# KiCad board dynamis.kicad_pcb
title: dynamis; rev: v2.0.0
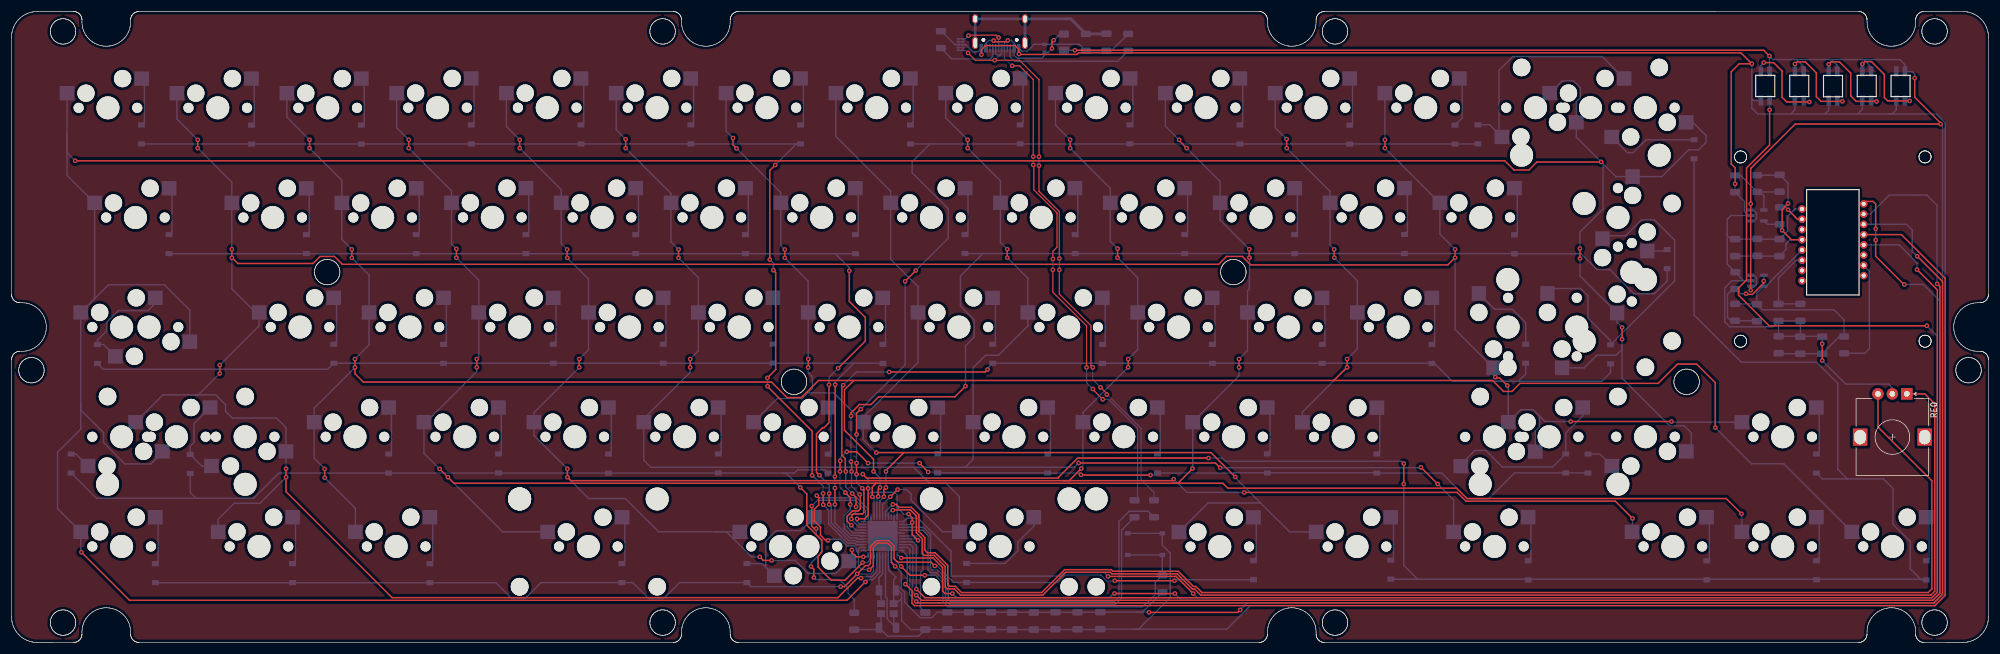
[diagram p0: board, top side]
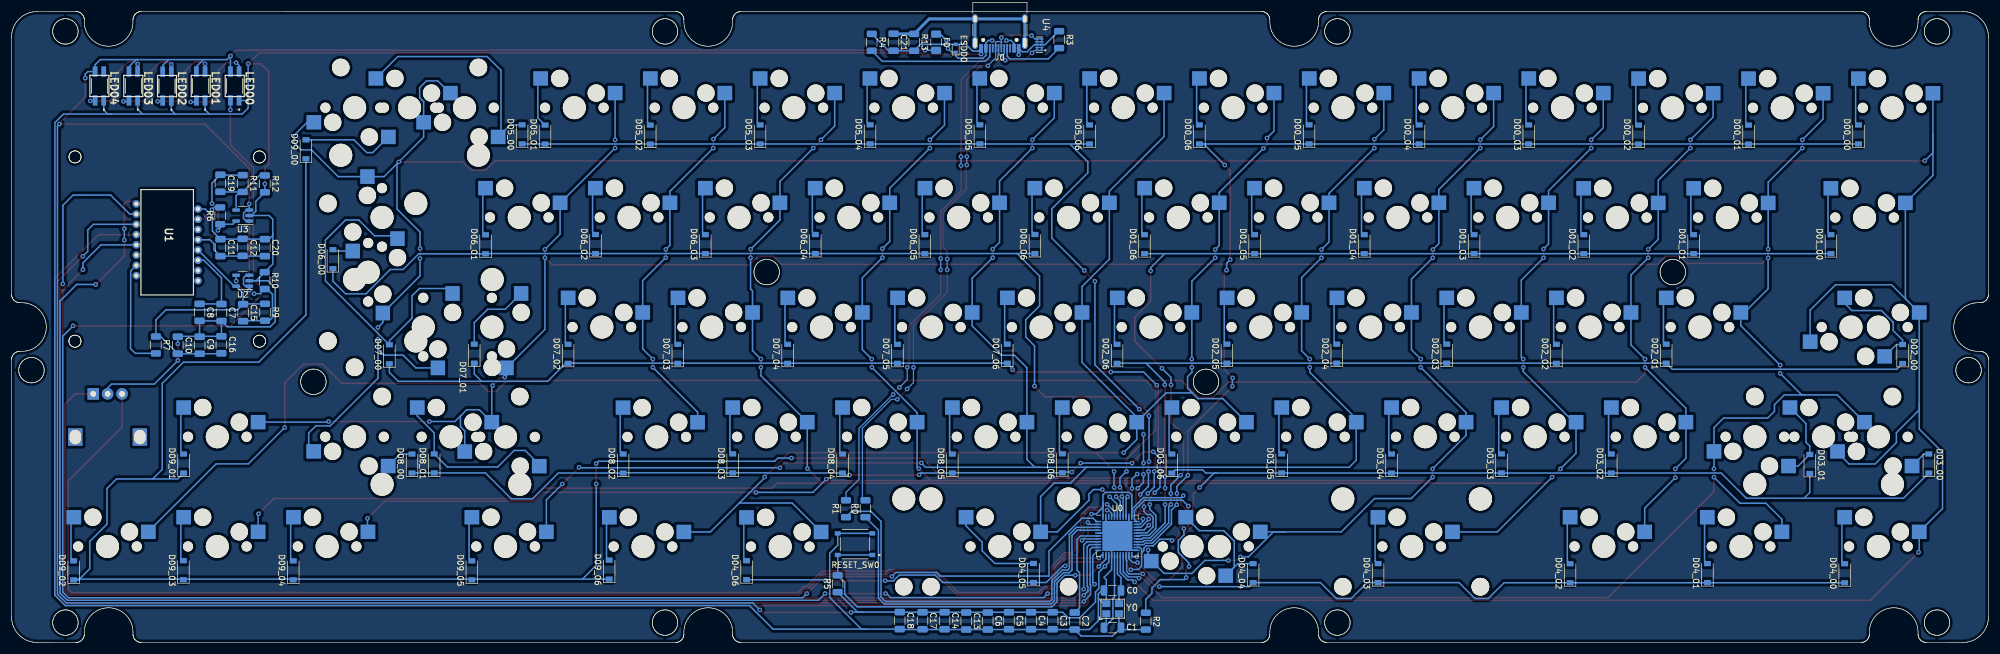
[diagram p1: board, bottom side, seen from below]

Outline 342.91 x 109.58 mm; copper layers: Top, Bottom. Coordinates in mm from the lower left corner of the outline.
Stack: Top 0.035mm / dielectric 1.51mm FR4 er 4.5 / Bottom 0.035mm

## Placement (name value [footprint] x y rotation side)
C0  22pF  [C_1206_3216Metric]  151.95 9.03 180 bottom
C1  22pF  [C_1206_3216Metric]  151.95 2.58 180 bottom
C2  1μF  [C_1206_3216Metric]  158.5 3.73 270 bottom
C3  0.1μF  [C_1206_3216Metric]  162.32 3.78 270 bottom
C4  0.1μF  [C_1206_3216Metric]  166.07 3.78 270 bottom
C5  0.1μF  [C_1206_3216Metric]  169.9 3.78 270 bottom
C6  10μF  [C_1206_3216Metric]  173.57 3.73 270 bottom
C7  4.7μF  [C_1206_3216Metric]  306.5 57.3 270 bottom
C8  0.1μF  [C_1206_3216Metric]  310.3 57.33 270 bottom
C9  0.1μF  [C_1206_3216Metric]  310.27 51.63 90 bottom
C10  10μF  [C_1206_3216Metric]  314.07 51.63 90 bottom
C11  0.1μF  [C_1206_3216Metric]  306.67 68.58 90 bottom
C12  10μF  [C_1206_3216Metric]  302.82 68.63 90 bottom
C13  0.1μF  [C_1206_3216Metric]  177.32 3.73 270 bottom
C14  1μF  [C_1206_3216Metric]  181.07 3.78 270 bottom
C15  0.1μF  [C_1206_3216Metric]  302.75 57.28 270 bottom
C16  10μF  [C_1206_3216Metric]  306.52 51.7 90 bottom
C17  0.1μF  [C_1206_3216Metric]  184.9 3.78 270 bottom
C18  1μF  [C_1206_3216Metric]  188.85 3.8 270 bottom
C19  0.1μF  [C_1206_3216Metric]  306.7 79.75 270 bottom
C20  10μF  [C_1206_3216Metric]  298.97 68.58 90 bottom
C21  4.7μF  [C_1206_3216Metric]  189.92 104.25 90 bottom
D00_00  D  [D_SOD-123-Pretty]  22.55 88.23 90 bottom
D00_01  D  [D_SOD-123-Pretty]  41.62 88.2 90 bottom
D00_02  D  [D_SOD-123-Pretty]  60.7 88.2 90 bottom
D00_03  D  [D_SOD-123-Pretty]  79.75 88.23 90 bottom
D00_04  D  [D_SOD-123-Pretty]  98.77 88.23 90 bottom
D00_05  D  [D_SOD-123-Pretty]  117.85 88.25 90 bottom
D00_06  D  [D_SOD-123-Pretty]  136.87 88.23 90 bottom
D01_00  D  [D_SOD-123-Pretty]  27.32 69.18 90 bottom
D01_01  D  [D_SOD-123-Pretty]  51.15 69.18 90 bottom
D01_02  D  [D_SOD-123-Pretty]  70.2 69.18 90 bottom
D01_03  D  [D_SOD-123-Pretty]  89.22 69.18 90 bottom
D01_04  D  [D_SOD-123-Pretty]  108.27 69.18 90 bottom
D01_05  D  [D_SOD-123-Pretty]  127.3 69.18 90 bottom
D01_06  D  [D_SOD-123-Pretty]  146.4 69.18 90 bottom
D02_00  D  [D_SOD-123-Pretty]  14.9 50.1 90 bottom
D02_01  D  [D_SOD-123-Pretty]  55.9 50.15 90 bottom
D02_02  D  [D_SOD-123-Pretty]  74.95 50.13 90 bottom
D02_03  D  [D_SOD-123-Pretty]  93.97 50.15 90 bottom
D02_04  D  [D_SOD-123-Pretty]  113.05 50.15 90 bottom
D02_05  D  [D_SOD-123-Pretty]  132.1 50.15 90 bottom
D02_06  D  [D_SOD-123-Pretty]  151.15 50.13 90 bottom
D03_00  D  [D_SOD-123-Pretty]  10.35 31.08 90 bottom
D03_01  D  [D_SOD-123-Pretty]  31 31 90 bottom
D03_02  D  [D_SOD-123-Pretty]  65.42 31.08 90 bottom
D03_03  D  [D_SOD-123-Pretty]  84.47 31.1 90 bottom
D03_04  D  [D_SOD-123-Pretty]  103.55 31.08 90 bottom
D03_05  D  [D_SOD-123-Pretty]  122.6 31.1 90 bottom
D03_06  D  [D_SOD-123-Pretty]  141.65 31.08 90 bottom
D04_00  D  [D_SOD-123-Pretty]  24.95 12.03 90 bottom
D04_01  D  [D_SOD-123-Pretty]  48.75 12.05 90 bottom
D04_02  D  [D_SOD-123-Pretty]  72.57 12.03 90 bottom
D04_03  D  [D_SOD-123-Pretty]  105.87 12.05 90 bottom
D04_04  D  [D_SOD-123-Pretty]  127.55 12.05 90 bottom
D04_05  D  [D_SOD-123-Pretty]  165.65 12.08 90 bottom
D04_06  D  [D_SOD-123-Pretty]  215.42 12.55 90 bottom
D05_00  D  [D_SOD-123-Pretty]  254.35 88.25 90 bottom
D05_01  D  [D_SOD-123-Pretty]  250.37 88.2 90 bottom
D05_02  D  [D_SOD-123-Pretty]  232.12 88.2 90 bottom
D05_03  D  [D_SOD-123-Pretty]  213.07 88.23 90 bottom
D05_04  D  [D_SOD-123-Pretty]  194 88.25 90 bottom
D05_05  D  [D_SOD-123-Pretty]  174.95 88.25 90 bottom
D05_06  D  [D_SOD-123-Pretty]  155.92 88.23 90 bottom
D06_00  D  [D_SOD-123-Pretty]  287.17 66.58 90 bottom
D06_01  D  [D_SOD-123-Pretty]  260.7 69.15 90 bottom
D06_02  D  [D_SOD-123-Pretty]  241.62 69.2 90 bottom
D06_03  D  [D_SOD-123-Pretty]  222.57 69.18 90 bottom
D06_04  D  [D_SOD-123-Pretty]  203.5 69.2 90 bottom
D06_05  D  [D_SOD-123-Pretty]  184.5 69.18 90 bottom
D06_06  D  [D_SOD-123-Pretty]  165.4 69.2 90 bottom
D07_00  D  [D_SOD-123-Pretty]  277.37 50.05 90 bottom
D07_01  D  [D_SOD-123-Pretty]  262.65 50.15 90 bottom
D07_02  D  [D_SOD-123-Pretty]  246.37 50.13 90 bottom
D07_03  D  [D_SOD-123-Pretty]  227.35 50.13 90 bottom
D07_04  D  [D_SOD-123-Pretty]  208.3 50.13 90 bottom
D07_05  D  [D_SOD-123-Pretty]  189.25 50.13 90 bottom
D07_06  D  [D_SOD-123-Pretty]  170.2 50.15 90 bottom
D08_00  D  [D_SOD-123-Pretty]  273.45 31.08 90 bottom
D08_01  D  [D_SOD-123-Pretty]  269.6 31.1 90 bottom
D08_02  D  [D_SOD-123-Pretty]  236.82 31.08 90 bottom
D08_03  D  [D_SOD-123-Pretty]  217.82 31.1 90 bottom
D08_04  D  [D_SOD-123-Pretty]  198.77 31.08 90 bottom
D08_05  D  [D_SOD-123-Pretty]  179.72 31.08 90 bottom
D08_06  D  [D_SOD-123-Pretty]  160.65 31.13 90 bottom
D09_00  D  [D_SOD-123-Pretty]  291.85 85.65 90 bottom
D09_01  D  [D_SOD-123-Pretty]  313.07 31.08 90 bottom
D09_02  D  [D_SOD-123-Pretty]  332.15 12.53 90 bottom
D09_03  D  [D_SOD-123-Pretty]  313.1 12.55 90 bottom
D09_04  D  [D_SOD-123-Pretty]  294.05 12.53 90 bottom
D09_05  D  [D_SOD-123-Pretty]  263.07 12.53 90 bottom
D09_06  D  [D_SOD-123-Pretty]  239.25 12.65 90 bottom
ESDD0  ESD5Z5V0  [D_SOD-523]  179.15 103.18 90 bottom
F0  SMD0805-050-16V  [Fuse_1206_3216Metric]  182.55 104.25 270 bottom
J0  USB_C_Receptacle_USB2.0  [USB_C_Receptacle_HRO_TYPE-C-31-M-12]  171.47 107.25 0 bottom
LED00  SK6812MINI-E  [SK6812MINIE]  304.2 96.65 270 top
LED01  SK6812MINI-E  [SK6812MINIE]  310.1 96.65 270 top
LED02  SK6812MINI-E  [SK6812MINIE]  315.95 96.63 270 top
LED03  SK6812MINI-E  [SK6812MINIE]  321.8 96.65 270 top
LED04  SK6812MINI-E  [SK6812MINIE]  327.67 96.65 270 top
LOGO00  LOGO  [logo]  121.27 16.85 0 top
R0  22  [R_1206_3216Metric]  194.8 23.23 90 bottom
R1  22  [R_1206_3216Metric]  198.17 23.23 90 bottom
R2  10k  [R_1206_3216Metric]  146.17 3.7 90 bottom
R3  5.1k  [R_1206_3216Metric]  161.2 104.7 270 bottom
R4  5.1k  [R_1206_3216Metric]  193.7 104.23 270 bottom
R5  10k  [R_1206_3216Metric]  199.62 10.2 90 bottom
R6  10k  [R_1206_3216Metric]  306.72 74.1 270 bottom
R7  39  [R_1206_3216Metric]  317.87 51.68 270 bottom
R9  37.4k  [R_1206_3216Metric]  298.95 57.35 270 bottom
R10  63.4K  [R_1206_3216Metric]  299 62.85 90 bottom
R11  52.3k  [R_1206_3216Metric]  302.8 79.7 270 bottom
R12  30.1k  [R_1206_3216Metric]  298.97 79.65 270 bottom
R13  1M  [R_1206_3216Metric]  186.35 104.23 90 bottom
RE0  RotaryEncoder  [RotaryEncoder_Alps_EC12E_Vertical_H20mm]  328.75 43.18 270 top
RESET_SW0  TS-1187A-B-A-B  [SW_TS-1187A-B-A-B]  196.61 17.08 0 bottom
STAB00  2.25U  [MXOnly-2.25U-ReversedStabilizers-NoSwitch]  271.47 54.78 0 top
SW00_00  SW_Push  [MXOnly-1U-Hotswap]  16.72 92.85 0 top
SW00_01  SW_Push  [MXOnly-1U-Hotswap]  35.77 92.85 0 top
SW00_02  SW_Push  [MXOnly-1U-Hotswap]  54.85 92.85 0 top
SW00_03  SW_Push  [MXOnly-1U-Hotswap]  73.9 92.88 0 top
SW00_04  SW_Push  [MXOnly-1U-Hotswap]  92.92 92.88 0 top
SW00_05  SW_Push  [MXOnly-1U-Hotswap]  111.97 92.88 0 top
SW00_06  SW_Push  [MXOnly-1U-Hotswap]  131.02 92.88 0 top
SW01_00  SW_Push  [MXOnly-1.5U-Hotswap]  21.5 73.8 0 top
SW01_01  SW_Push  [MXOnly-1U-Hotswap]  45.3 73.8 0 top
SW01_02  SW_Push  [MXOnly-1U-Hotswap]  64.37 73.8 0 top
SW01_03  SW_Push  [MXOnly-1U-Hotswap]  83.4 73.83 0 top
SW01_04  SW_Push  [MXOnly-1U-Hotswap]  102.42 73.83 0 top
SW01_05  SW_Push  [MXOnly-1U-Hotswap]  121.47 73.83 0 top
SW01_06  SW_Push  [MXOnly-1U-Hotswap]  140.52 73.83 0 top
SW02_01  SW_Push  [MXOnly-1U-Hotswap]  50.05 54.78 0 top
SW02_02  SW_Push  [MXOnly-1U-Hotswap]  69.1 54.78 0 top
SW02_03  SW_Push  [MXOnly-1U-Hotswap]  88.12 54.78 0 top
SW02_04  SW_Push  [MXOnly-1U-Hotswap]  107.17 54.78 0 top
SW02_05  SW_Push  [MXOnly-1U-Hotswap]  126.22 54.78 0 top
SW02_06  SW_Push  [MXOnly-1U-Hotswap]  145.27 54.78 0 top
SW03_00  SW_Push  [MXOnly-1.25U-Hotswap]  19.1 35.73 180 top
SW03_02  SW_Push  [MXOnly-1U-Hotswap]  59.57 35.73 0 top
SW03_03  SW_Push  [MXOnly-1U-Hotswap]  78.62 35.73 0 top
SW03_04  SW_Push  [MXOnly-1U-Hotswap]  97.7 35.73 0 top
SW03_05  SW_Push  [MXOnly-1U-Hotswap]  116.75 35.73 0 top
SW03_06  SW_Push  [MXOnly-1U-Hotswap]  135.8 35.73 0 top
SW04_00  SW_Push  [MXOnly-1.25U-Hotswap]  19.1 16.68 0 top
SW04_01  SW_Push  [MXOnly-1.25U-Hotswap]  42.92 16.68 0 top
SW04_02  SW_Push  [MXOnly-1.25U-Hotswap]  66.72 16.68 0 top
SW04_03  SW_Push  [MXOnly-2.25U-Hotswap-ReversedStabilizers]  100.06 16.67 0 top
SW04_05  SW_Push  [MXOnly-2.75U-Hotswap-ReversedStabilizers]  171.5 16.68 0 top
SW04_06  SW_Push  [MXOnly-1.25U-Hotswap]  209.58 16.65 0 top
SW05_01  SW_Push  [MXOnly-1U-Hotswap]  245.3 92.88 0 top
SW05_02  SW_Push  [MXOnly-1U-Hotswap]  226.27 92.88 0 top
SW05_03  SW_Push  [MXOnly-1U-Hotswap]  207.22 92.88 0 top
SW05_04  SW_Push  [MXOnly-1U-Hotswap]  188.17 92.88 0 top
SW05_05  SW_Push  [MXOnly-1U-Hotswap]  169.12 92.88 0 top
SW05_06  SW_Push  [MXOnly-1U-Hotswap]  150.07 92.88 0 top
SW06_00  SW_Push  [MXOnly-1U-Hotswap]  278.65 73.83 270 top
SW06_01  SW_Push  [MXOnly-1U-Hotswap]  254.85 73.83 0 top
SW06_02  SW_Push  [MXOnly-1U-Hotswap]  235.8 73.83 0 top
SW06_03  SW_Push  [MXOnly-1U-Hotswap]  216.72 73.83 0 top
SW06_04  SW_Push  [MXOnly-1U-Hotswap]  197.67 73.83 0 top
SW06_05  SW_Push  [MXOnly-1U-Hotswap]  178.62 73.83 0 top
SW06_06  SW_Push  [MXOnly-1U-Hotswap]  159.57 73.83 0 top
SW07_01  SW_Push  [MXOnly-1U-Hotswap]  259.6 54.78 90 top
SW07_02  SW_Push  [MXOnly-1U-Hotswap]  240.52 54.78 0 top
SW07_03  SW_Push  [MXOnly-1U-Hotswap]  221.47 54.78 0 top
SW07_04  SW_Push  [MXOnly-1U-Hotswap]  202.42 54.78 0 top
SW07_05  SW_Push  [MXOnly-1U-Hotswap]  183.37 54.78 0 top
SW07_06  SW_Push  [MXOnly-1U-Hotswap]  164.32 54.78 0 top
SW08_00  SW_Push  [MXOnly-1U-Hotswap]  283.42 35.73 180 top
SW08_02  SW_Push  [MXOnly-1U-Hotswap]  231 35.7 0 top
SW08_03  SW_Push  [MXOnly-1U-Hotswap]  211.97 35.73 0 top
SW08_04  SW_Push  [MXOnly-1U-Hotswap]  192.92 35.73 0 top
SW08_05  SW_Push  [MXOnly-1U-Hotswap]  173.87 35.73 0 top
SW08_06  SW_Push  [MXOnly-1U-Hotswap]  154.82 35.73 0 top
SW09_00  SW_Push  [MXOnly-1U-Hotswap]  283.4 92.88 180 top
SW09_01  SW_Push  [MXOnly-1U-Hotswap]  307.22 35.73 0 top
SW09_02  SW_Push  [MXOnly-1U-Hotswap]  326.27 16.68 0 top
SW09_03  SW_Push  [MXOnly-1U-Hotswap]  307.22 16.68 0 top
SW09_04  SW_Push  [MXOnly-1U-Hotswap]  288.17 16.68 0 top
SW09_05  SW_Push  [MXOnly-1.25U-Hotswap]  257.22 16.68 0 top
SW09_06  SW_Push  [MXOnly-1.25U-Hotswap]  233.38 16.66 0 top
SWBS_L00  SW_Push  [MXOnly-2U-Hotswap]  273.87 92.87 0 top
SWBS_S00  SW_Push  [MXOnly-1U-Hotswap]  264.35 92.88 180 top
SWCL_N00  SW_Push  [MXOnly-1.75U-Hotswap]  23.85 54.78 180 top
SWCL_S00  SW_Push  [MXOnly-1U-Hotswap]  19.1 54.78 0 top
SWET_AN00  SW_Push  [MXOnly-1U-Hotswap]  271.5 54.78 90 top
SWET_IS00  SW_Push  [MXOnly-2U-Hotswap-ReversedStabilizers]  281.05 64.3 90 top
SWLS_L01  SW_Push  [MXOnly-2.25U-Hotswap]  28.6 35.73 0 top
SWLS_S01  SW_Push  [MXOnly-1U-Hotswap]  40.52 35.73 180 top
SWRS_L01  SW_Push  [MXOnly-2.75U-Hotswap]  266.7 35.73 0 top
SWRS_S01  SW_Push  [MXOnly-1.75U-Hotswap]  257.22 35.7 180 top
SWSP_L04  SW_Push  [MXOnly-6.25U-Hotswap]  138.15 16.68 180 top
SWSP_S04  SW_Push  [MXOnly-1.25U-Hotswap]  133.4 16.68 0 top
U0  ATmega32U4-M  [QFN-44-1EP_7x7mm_P0.5mm_EP5.2x5.2mm]  151.1 18.5 180 bottom
U1  PMW3360DM-T2QU  [PMW3360]  315.92 69.5 270 bottom
U2  TPS73601DBV  [SOT-23-5]  302.82 62.83 0 bottom
U3  TPS73601DBV  [SOT-23-5]  302.82 74.15 0 bottom
U4  TPD4E05U06DQAR  [USON-10_L2.5-W1.0-P0.50-BL]  164.62 103.83 90 bottom
Y0  16Mhz  [OSC-SMD_4P-L3.2-W2.5-BL]  151.92 5.88 180 bottom

## Library data of the parts
C0 C1 = -: LCSC: C107174
C2 C14 C18 = -: LCSC: C1848
C3-C5 C8 C9 C11 C13 C15 C17 C19 = -: LCSC: C24497
C6 C10 C12 C16 C20 = -: LCSC: C13585
C7 C21 = -: LCSC: C29823
D00_00 D00_01 D00_02 D00_03 D00_04 D00_05 D00_06 D01_00 D01_01 D01_02 D01_03 D01_04 D01_05 D01_06 D02_00 D02_01 D02_02 D02_03 D02_04 D02_05 D02_06 D03_00 D03_01 D03_02 D03_03 D03_04 D03_05 D03_06 D04_00 D04_01 D04_02 D04_03 D04_04 D04_05 D04_06 D05_00 D05_01 D05_02 D05_03 D05_04 D05_05 D05_06 D06_00 D06_01 D06_02 D06_03 D06_04 D06_05 D06_06 D07_00 D07_01 D07_02 D07_03 D07_04 D07_05 D07_06 D08_00 D08_01 D08_02 D08_03 D08_04 D08_05 D08_06 D09_00 D09_01 D09_02 D09_03 D09_04 D09_05 D09_06 = -: LCSC: C81598
ESDD0 = -: LCSC: C502546; Manufacturer: MDD; Package: SOD-523
F0 = -: LCSC: C2833485; Manufacturer: TECHFUSE; Package: F0805
J0 = -: LCSC: C165948
LED00 LED01 LED02 LED03 LED04 = -: Description: 3.2x2.8x1.78 mm 0.2W Intelligent external control surface mount SMD LED (MSL:5a); Height: 1.88; LCSC: C5149201; Manufacturer_Name: Yellow Stone Corp.
R0 R1 = -: LCSC: C17958
R2 R5 R6 = -: LCSC: C17928
R3 R4 = -: LCSC: C964991
R7 = -: LCSC: C286655
R9 = -: LCSC: C247280
R10 = -: LCSC: C45027
R11 = -: LCSC: C247238
R12 = -: LCSC: C425547
R13 = -: LCSC: C2759631
RESET_SW0 = -: LCSC: C318884; MANUFACTURER: XKB Industrial Precision; MAXIMUM_PACKAGE_HEIGHT: 1.5mm; PARTREV: A0; STANDARD: Manufacturer Recommendations
SW00_00 SW00_01 SW00_02 SW00_03 SW00_04 SW00_05 SW00_06 SW01_00 SW01_01 SW01_02 SW01_03 SW01_04 SW01_05 SW01_06 SW02_01 SW02_02 SW02_03 SW02_04 SW02_05 SW02_06 SW03_00 SW03_02 SW03_03 SW03_04 SW03_05 SW03_06 SW04_00 SW04_01 SW04_02 SW04_03 SW04_05 SW04_06 SW05_01 SW05_02 SW05_03 SW05_04 SW05_05 SW05_06 SW06_00 SW06_01 SW06_02 SW06_03 SW06_04 SW06_05 SW06_06 SW07_01 SW07_02 SW07_03 SW07_04 SW07_05 SW07_06 SW08_00 SW08_02 SW08_03 SW08_04 SW08_05 SW08_06 SW09_00 SW09_01 SW09_02 SW09_03 SW09_04 SW09_05 SW09_06 SWBS_L00 SWBS_S00 SWCL_N00 SWCL_S00 SWET_AN00 SWET_IS00 SWLS_L01 SWLS_S01 SWRS_L01 SWRS_S01 SWSP_L04 SWSP_S04 = -: LCSC: C5156480
U0 = -: LCSC: C112161
U1 = -: Description: Optical gaming navigation sensor; Manufacturer_Name: PixArt Imaging Inc.
U2 U3 = -: LCSC: C59200
U4 = -: LCSC: C2836386
Y0 = -: LCSC: C13738

## Footprints (pads in the part's own frame, mm; a bottom-side part is the same pattern mirrored in y, then rotated)
C_1206_3216Metric
  rrect 1.15x1.8 smd: 1(-1.475,0) 2(1.475,0)
D_SOD-123-Pretty
  rect 0.9x1.2 smd: 1(-1.65,0) 2(1.65,0)
D_SOD-523
  rect 0.6x0.7 smd: 1(-0.7,0) 2(0.7,0)
Fuse_1206_3216Metric
  rrect 1.25x1.75 smd: 1(-1.4,0) 2(1.4,0)
MXOnly-1.5U-Hotswap
  round 1.75 hole 1.75 unplated: (-5.08,0) (5.08,0)
  round 3 hole 3 unplated: (-3.81,2.54) (2.54,5.08)
  round 3.988 hole 3.988 unplated: (0,0)
  rect 2.55x2.5 smd far side: 1(-7.085,2.54) 2(5.842,5.08)
MXOnly-1.25U-Hotswap
  round 1.75 hole 1.75 unplated: (-5.08,0) (5.08,0)
  round 3 hole 3 unplated: (-3.81,2.54) (2.54,5.08)
  round 3.988 hole 3.988 unplated: (0,0)
  rect 2.55x2.5 smd far side: 1(-7.085,2.54) 2(5.842,5.08)
MXOnly-1.75U-Hotswap
  round 1.75 hole 1.75 unplated: (-5.08,0) (5.08,0)
  round 3 hole 3 unplated: (-3.81,2.54) (2.54,5.08)
  round 3.988 hole 3.988 unplated: (0,0)
  rect 2.55x2.5 smd far side: 1(-7.085,2.54) 2(5.842,5.08)
MXOnly-1U-Hotswap
  round 1.75 hole 1.75 unplated: (-5.08,0) (5.08,0)
  round 3 hole 3 unplated: (-3.81,2.54) (2.54,5.08)
  round 3.988 hole 3.988 unplated: (0,0)
  rect 2.55x2.5 smd far side: 1(-7.085,2.54) 2(5.842,5.08)
MXOnly-2.25U-Hotswap
  round 3.048 hole 3.048 unplated: (-11.938,6.985) (11.938,6.985)
  round 3.988 hole 3.988 unplated: (-11.938,-8.255) (0,0) (11.938,-8.255)
  round 1.75 hole 1.75 unplated: (-5.08,0) (5.08,0)
  round 3 hole 3 unplated: (-3.81,2.54) (2.54,5.08)
  rect 2.55x2.5 smd far side: 1(-7.085,2.54) 2(5.842,5.08)
MXOnly-2.25U-Hotswap-ReversedStabilizers
  round 3.988 hole 3.988 unplated: (-11.938,8.255) (0,0) (11.938,8.255)
  round 3.048 hole 3.048 unplated: (-11.938,-6.985) (11.938,-6.985)
  round 1.75 hole 1.75 unplated: (-5.08,0) (5.08,0)
  round 3 hole 3 unplated: (-3.81,2.54) (2.54,5.08)
  rect 2.55x2.5 smd far side: 1(-7.085,2.54) 2(5.842,5.08)
MXOnly-2.25U-ReversedStabilizers-NoSwitch
  round 3.988 hole 3.988 unplated: (-11.938,8.255) (11.938,8.255)
  round 3.048 hole 3.048 unplated: (-11.938,-6.985) (11.938,-6.985)
MXOnly-2.75U-Hotswap
  round 3.048 hole 3.048 unplated: (-11.938,6.985) (11.938,6.985)
  round 3.988 hole 3.988 unplated: (-11.938,-8.255) (0,0) (11.938,-8.255)
  round 1.75 hole 1.75 unplated: (-5.08,0) (5.08,0)
  round 3 hole 3 unplated: (-3.81,2.54) (2.54,5.08)
  rect 2.55x2.5 smd far side: 1(-7.085,2.54) 2(5.842,5.08)
MXOnly-2.75U-Hotswap-ReversedStabilizers
  round 3.988 hole 3.988 unplated: (-11.938,8.255) (0,0) (11.938,8.255)
  round 3.048 hole 3.048 unplated: (-11.938,-6.985) (11.938,-6.985)
  round 1.75 hole 1.75 unplated: (-5.08,0) (5.08,0)
  round 3 hole 3 unplated: (-3.81,2.54) (2.54,5.08)
  rect 2.55x2.5 smd far side: 1(-7.085,2.54) 2(5.842,5.08)
MXOnly-2U-Hotswap
  round 3.048 hole 3.048 unplated: (-11.938,6.985) (11.938,6.985)
  round 3.988 hole 3.988 unplated: (-11.938,-8.255) (0,0) (11.938,-8.255)
  round 1.75 hole 1.75 unplated: (-5.08,0) (5.08,0)
  round 3 hole 3 unplated: (-3.81,2.54) (2.54,5.08)
  rect 2.55x2.5 smd far side: 1(-7.085,2.54) 2(5.842,5.08)
MXOnly-2U-Hotswap-ReversedStabilizers
  round 3.988 hole 3.988 unplated: (-11.938,8.255) (0,0) (11.938,8.255)
  round 3.048 hole 3.048 unplated: (-11.938,-6.985) (11.938,-6.985)
  round 1.75 hole 1.75 unplated: (-5.08,0) (5.08,0)
  round 3 hole 3 unplated: (-3.81,2.54) (2.54,5.08)
  rect 2.55x2.5 smd far side: 1(-7.085,2.54) 2(5.842,5.08)
MXOnly-6.25U-Hotswap
  round 3.048 hole 3.048 unplated: (-50,6.985) (50,6.985)
  round 3.988 hole 3.988 unplated: (-50,-8.255) (0,0) (50,-8.255)
  round 1.75 hole 1.75 unplated: (-5.08,0) (5.08,0)
  round 3 hole 3 unplated: (-3.81,2.54) (2.54,5.08)
  rect 2.55x2.5 smd far side: 1(-7.085,2.54) 2(5.842,5.08)
OSC-SMD_4P-L3.2-W2.5-BL
  rect 1.4x1.2 smd: 1(-1.1,-0.875) 2(1.1,-0.875) 3(1.1,0.875) 4(-1.1,0.875)
PMW3360
  round 1.3 hole 0.7: 1(6.675,5.35) 2(4.895,5.35) 3(3.115,5.35) 4(1.335,5.35) 5(-0.445,5.35) 6(-2.225,5.35) 7(-4.005,5.35) 8(-5.785,5.35) 9(-6.675,-5.35) 10(-4.895,-5.35) 11(-3.115,-5.35) 12(-1.335,-5.35) 13(0.445,-5.35) 14(2.225,-5.35) 15(4.005,-5.35) 16(5.785,-5.35)
QFN-44-1EP_7x7mm_P0.5mm_EP5.2x5.2mm
  rrect 1.05x1.05 smd: (-1.95,-1.95) (-1.95,-0.65) (-1.95,0.65) (-1.95,1.95) (-0.65,-1.95) (-0.65,-0.65) (-0.65,0.65) (-0.65,1.95) (0.65,-1.95) (0.65,-0.65) (0.65,0.65) (0.65,1.95) (1.95,-1.95) (1.95,-0.65) (1.95,0.65) (1.95,1.95)
  rrect 1.075x0.25 smd: 1(-3.337,2.5) 2(-3.337,2) 3(-3.337,1.5) 4(-3.337,1) 5(-3.337,0.5) 6(-3.337,0) 7(-3.337,-0.5) 8(-3.337,-1) 9(-3.337,-1.5) 10(-3.337,-2) 11(-3.337,-2.5) 23(3.337,-2.5) 24(3.337,-2) 25(3.337,-1.5) 26(3.337,-1) 27(3.337,-0.5) 28(3.337,0) 29(3.337,0.5) 30(3.337,1) 31(3.337,1.5) 32(3.337,2) 33(3.337,2.5)
  rrect 0.25x1.075 smd: 12(-2.5,-3.337) 13(-2,-3.337) 14(-1.5,-3.337) 15(-1,-3.337) 16(-0.5,-3.337) 17(0,-3.337) 18(0.5,-3.337) 19(1,-3.337) 20(1.5,-3.337) 21(2,-3.337) 22(2.5,-3.337) 34(2.5,3.337) 35(2,3.337) 36(1.5,3.337) 37(1,3.337) 38(0.5,3.337) 39(0,3.337) 40(-0.5,3.337) 41(-1,3.337) 42(-1.5,3.337) 43(-2,3.337) 44(-2.5,3.337)
  rect 5.2x5.2 smd: 45(0,0)
R_1206_3216Metric
  rrect 1.125x1.75 smd: 1(-1.462,0) 2(1.462,0)
RotaryEncoder_Alps_EC12E_Vertical_H20mm
  rect 2x2 hole 1: A(0,0)
  round 2 hole 1: B(0,-5) C(0,-2.5)
  rect 3x2.5 hole 2.5x2: MP(7.5,3.1) MP(7.5,-8.1)
SK6812MINIE
  rect 1.8x0.82 smd far side: 1(-2.5,0.75) 2(-2.5,-0.75) 3(2.5,-0.75) 4(2.5,0.75)
SOT-23-5
  rrect 1.325x0.6 smd: 1(-1.137,0.95) 2(-1.137,0) 3(-1.137,-0.95) 4(1.137,-0.95) 5(1.137,0.95)
SW_TS-1187A-B-A-B
  rect 1x0.75 smd: A(-3,1.875) B(3,1.875) C(-3,-1.875) D(3,-1.875)
USB_C_Receptacle_HRO_TYPE-C-31-M-12
  round 0.65 hole 0.65 unplated: (-2.89,2.6) (2.89,2.6)
  rect 0.6x1.45 smd: A1(-3.25,4.045) A4(-2.45,4.045) A9(2.45,4.045) A12(3.25,4.045) B1(3.25,4.045) B4(2.45,4.045) B9(-2.45,4.045) B12(-3.25,4.045)
  rect 0.3x1.45 smd: A5(-1.25,4.045) A6(-0.25,4.045) A7(0.25,4.045) A8(1.25,4.045) B5(1.75,4.045) B6(0.75,4.045) B7(-0.75,4.045) B8(-1.75,4.045)
  oval 1x1.6 hole 0.6x1.2: S1(-4.32,-1.05) S1(4.32,-1.05)
  oval 1x2.1 hole 0.6x1.7: S1(-4.32,3.13) S1(4.32,3.13)
USON-10_L2.5-W1.0-P0.50-BL
  rect 0.25x0.609 smd: 1(-1,-0.415) 2(-0.5,-0.415) 4(0.5,-0.415) 5(1,-0.415) 6(1,0.415) 7(0.5,0.415) 9(-0.5,0.415) 10(-1,0.415)
  rect 0.38x0.609 smd: 3(0,-0.415) 8(0,0.415)
